# KiCad board data-center-ddr5-tester.kicad_pcb (continued)
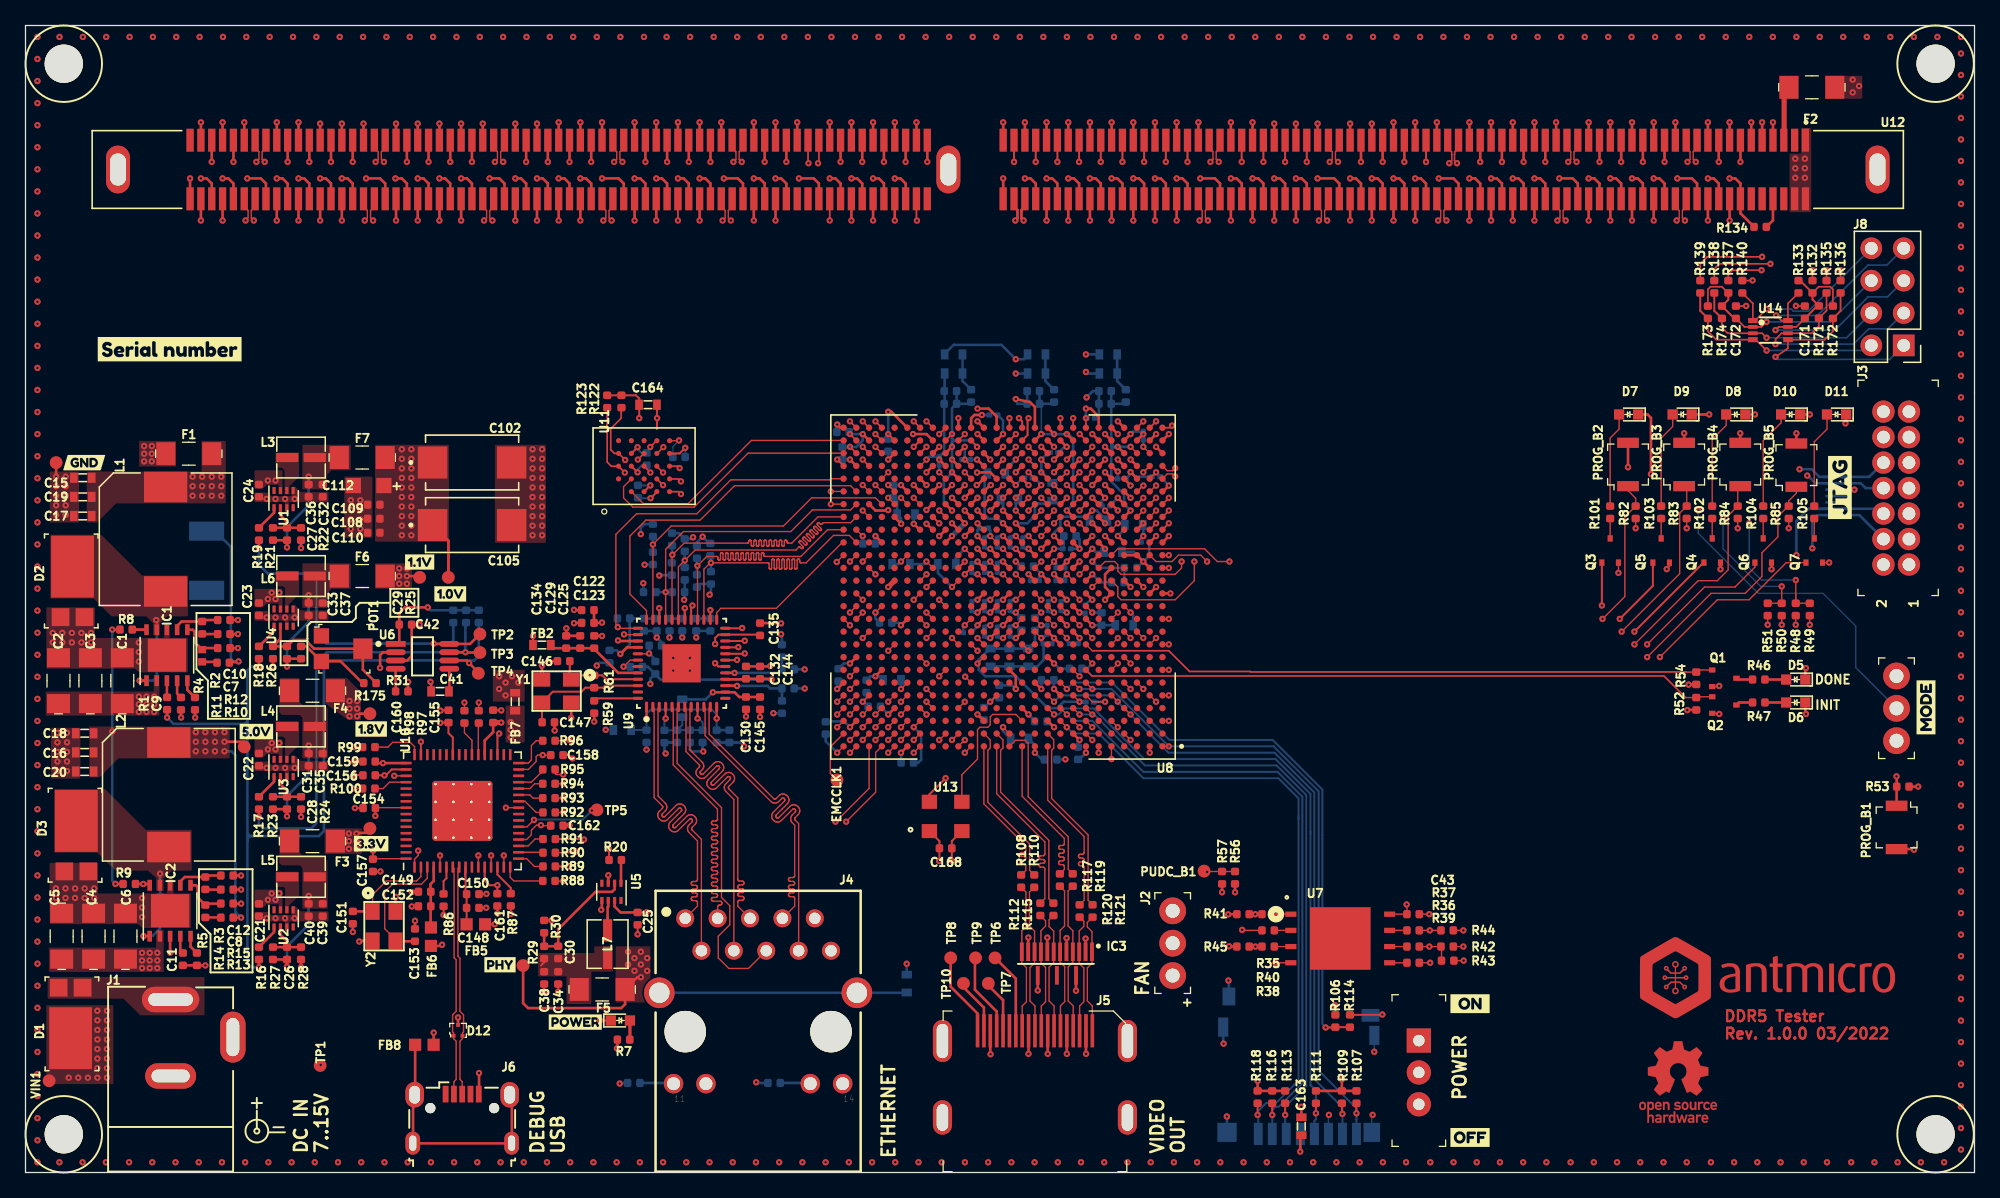
[diagram p0: board, top side]
## Routing (per net, layer and track width the routed paths; a pad name or vN(x,y) marks a point on that pad's centre or on a via; arc(x,y) is an arc through that point) (continued)
DQ28_A: length 53.5
  Top w0.15: U12.47 v4(100.45,79.3)
  Top w0.2: U8.AD4 v4(85.64,56.94)
  In2.Cu w0.127: v4(100.45,79.3) 100.45,78.85 100.45,78.82 100.44,78.79 100.42,78.77 100.4,78.75 100.38,78.74 100.35,78.73 100.32,78.72 100.19,78.72 100.16,78.72 100.13,78.71 100.11,78.7 100.09,78.68 100.08,78.65 100.07,78.62 100.06,78.6 100.07,78.57 100.08,78.54 100.09,78.52 100.11,78.5 100.13,78.48 100.16,78.47 100.19,78.47 100.71,78.47 100.74,78.47 100.77,78.46 100.79,78.44 100.81,78.42 100.82,78.4 100.83,78.37 100.84,78.34 100.83,78.31 100.82,78.29 100.81,78.26 100.79,78.24 100.77,78.23 100.74,78.22 100.71,78.22 100.19,78.22 100.16,78.21 100.13,78.2 100.11,78.19 100.09,78.17 100.08,78.14 100.07,78.12 100.06,78.09 100.07,78.06 100.08,78.03 100.09,78.01 100.11,77.99 100.13,77.97 100.16,77.96 100.19,77.96 100.71,77.96 100.74,77.96 100.77,77.95 100.79,77.93 100.81,77.91 100.82,77.89 100.83,77.86 100.84,77.83 100.83,77.81 100.82,77.78 100.81,77.75 100.79,77.73 100.77,77.72 100.74,77.71 100.71,77.71 100.19,77.71 100.16,77.7 100.13,77.69 100.11,77.68 100.09,77.66 100.08,77.64 100.07,77.61 100.06,77.58 100.07,77.55 100.08,77.52 100.09,77.5 100.11,77.48 100.13,77.47 100.16,77.46 100.19,77.45 100.71,77.45 100.74,77.45 100.77,77.44 100.79,77.43 100.81,77.41 100.82,77.38 100.83,77.35 100.84,77.33 100.83,77.3 100.82,77.27 100.81,77.25 100.79,77.23 100.77,77.21 100.74,77.2 100.71,77.2 100.19,77.2 100.16,77.2 100.13,77.19 100.11,77.17 100.09,77.15 100.08,77.13 100.07,77.1 100.06,77.07 100.07,77.04 100.08,77.02 100.09,76.99 100.11,76.97 100.13,76.96 100.16,76.95 100.19,76.94 100.71,76.94 100.74,76.94 100.77,76.93 100.79,76.92 100.81,76.9 100.82,76.87 100.83,76.85 100.84,76.82 100.83,76.79 100.82,76.76 100.81,76.74 100.79,76.72 100.77,76.7 100.74,76.69 100.71,76.69 100.19,76.69 100.16,76.69 100.13,76.68 100.11,76.66 100.09,76.64 100.08,76.62 100.07,76.59 100.06,76.56 100.07,76.54 100.08,76.51 100.09,76.48 100.11,76.46 100.13,76.45 100.16,76.44 100.19,76.44 100.71,76.44 100.74,76.43 100.77,76.42 100.79,76.41 100.81,76.39 100.82,76.37 100.83,76.34 100.84,76.31 100.83,76.28 100.82,76.25 100.81,76.23 100.79,76.21 100.77,76.2 100.74,76.19 100.71,76.18 100.19,76.18 100.16,76.18 100.13,76.17 100.11,76.16 100.09,76.14 100.08,76.11 100.07,76.08 100.06,76.06 100.07,76.03 100.08,76 100.09,75.98 100.11,75.96 100.13,75.94 100.16,75.93 100.19,75.93 100.71,75.93 100.74,75.93 100.77,75.92 100.79,75.9 100.81,75.88 100.82,75.86 100.83,75.83 100.84,75.8 100.83,75.77 100.82,75.75 100.81,75.72 100.79,75.7 100.77,75.69 100.74,75.68 100.71,75.67 100.19,75.67 100.16,75.67 100.13,75.66 100.11,75.65 100.09,75.63 100.08,75.6 100.07,75.58 100.06,75.55 100.07,75.52 100.08,75.49 100.09,75.47 100.11,75.45 100.13,75.43 100.16,75.42 100.19,75.42 100.71,75.42 100.74,75.42 100.77,75.41 100.79,75.39 100.81,75.37 100.82,75.35 100.83,75.32 100.84,75.29 100.83,75.27 100.82,75.24 100.81,75.21 100.79,75.19 100.77,75.18 100.74,75.17 100.71,75.17 100.19,75.17 100.16,75.16 100.13,75.15 100.11,75.14 100.09,75.12 100.08,75.1 100.07,75.07 100.06,75.04 100.07,75.01 100.08,74.98 100.09,74.96 100.11,74.94 100.13,74.93 100.16,74.92 100.19,74.91 100.71,74.91 100.74,74.91 100.77,74.9 100.79,74.89 100.81,74.87 100.82,74.84 100.83,74.81 100.84,74.79 100.83,74.76 100.82,74.73 100.81,74.71 100.79,74.69 100.77,74.67 100.74,74.66 100.71,74.66 100.19,74.66 100.16,74.66 100.13,74.65 100.11,74.63 100.09,74.61 100.08,74.59 100.07,74.56 100.06,74.53 100.07,74.5 100.08,74.48 100.09,74.45 100.11,74.43 100.13,74.42 100.16,74.41 100.19,74.41 100.71,74.41 100.74,74.4 100.77,74.39 100.79,74.38 100.81,74.36 100.82,74.33 100.83,74.31 100.84,74.28 100.83,74.25 100.82,74.22 100.81,74.2 100.79,74.18 100.77,74.16 100.74,74.15 100.71,74.15 100.19,74.15 100.16,74.15 100.13,74.14 100.11,74.12 100.09,74.1 100.08,74.08 100.07,74.05 100.06,74.02 100.07,74 100.08,73.97 100.09,73.94 100.11,73.92 100.13,73.91 100.16,73.9 100.19,73.9 100.71,73.9 100.74,73.89 100.77,73.88 100.79,73.87 100.81,73.85 100.82,73.83 100.83,73.8 100.84,73.77 100.83,73.74 100.82,73.71 100.81,73.69 100.79,73.67 100.77,73.66 100.74,73.65 100.71,73.64 100.19,73.64 100.16,73.64 100.13,73.63 100.11,73.62 100.09,73.6 100.08,73.57 100.07,73.54 100.06,73.52 100.07,73.49 100.08,73.46 100.09,73.44 100.11,73.42 100.13,73.4 100.16,73.39 100.19,73.39 100.32,73.39 100.35,73.39 100.38,73.38 100.4,73.36 100.42,73.34 100.44,73.32 100.45,73.29 100.45,73.26 100.45,60.75 99.89,60.19 85.64,60.19 85.14,59.69 85.14,57.44 v4(85.64,56.94)
DQ28_B: length 77.2
  Top w0.2: U12.140 v1(16.3,79.3) ; U8.V19 v1(70.64,50.9)
  In7.Cu w0.127: v1(16.3,79.3) 16.3,78.9 16.3,78.87 16.29,78.84 16.27,78.82 16.25,78.8 16.23,78.79 16.2,78.78 16.17,78.77 16.03,78.77 16,78.77 15.97,78.76 15.95,78.75 15.93,78.73 15.91,78.7 15.9,78.67 15.9,78.65 15.9,78.62 15.91,78.59 15.93,78.57 15.95,78.55 15.97,78.53 16,78.52 16.03,78.52 16.57,78.52 16.6,78.52 16.63,78.51 16.65,78.49 16.67,78.47 16.69,78.45 16.7,78.42 16.7,78.39 16.7,78.36 16.69,78.34 16.67,78.31 16.65,78.29 16.63,78.28 16.6,78.27 16.57,78.27 16.03,78.27 16,78.26 15.97,78.25 15.95,78.24 15.93,78.22 15.91,78.19 15.9,78.17 15.9,78.14 15.9,78.11 15.91,78.08 15.93,78.06 15.95,78.04 15.97,78.02 16,78.01 16.03,78.01 16.57,78.01 16.6,78.01 16.63,78 16.65,77.98 16.67,77.96 16.69,77.94 16.7,77.91 16.7,77.88 16.7,77.86 16.69,77.83 16.67,77.8 16.65,77.78 16.63,77.77 16.6,77.76 16.57,77.76 16.03,77.76 16,77.75 15.97,77.74 15.95,77.73 15.93,77.71 15.91,77.69 15.9,77.66 15.9,77.63 15.9,77.6 15.91,77.57 15.93,77.55 15.95,77.53 15.97,77.52 16,77.51 16.03,77.5 16.57,77.5 16.6,77.5 16.63,77.49 16.65,77.48 16.67,77.46 16.69,77.43 16.7,77.4 16.7,77.38 16.7,77.35 16.69,77.32 16.67,77.3 16.65,77.28 16.63,77.26 16.6,77.25 16.57,77.25 16.03,77.25 16,77.25 15.97,77.24 15.95,77.22 15.93,77.2 15.91,77.18 15.9,77.15 15.9,77.12 15.9,77.09 15.91,77.07 15.93,77.04 15.95,77.02 15.97,77.01 16,77 16.03,77 16.57,77 16.6,76.99 16.63,76.98 16.65,76.97 16.67,76.95 16.69,76.92 16.7,76.9 16.7,76.87 16.7,76.84 16.69,76.81 16.67,76.79 16.65,76.77 16.63,76.75 16.6,76.74 16.57,76.74 16.43,76.74 16.4,76.74 16.37,76.73 16.35,76.71 16.33,76.69 16.31,76.67 16.3,76.64 16.3,76.61 16.3,74.28 29.14,61.44 51.14,61.44 62.14,50.44 70.18,50.44 v1(70.64,50.9)
DQ29_A: length 53.5
  Top w0.15: U12.49 v4(98.75,79.3)
  Top w0.2: v4(84.64,56.94) U8.AD5
  In2.Cu w0.127: v4(84.64,56.94) 84.14,57.44 84.14,60.69 84.64,61.19 98.39,61.19 98.75,61.55 98.75,72.15 98.75,72.17 98.74,72.2 98.72,72.23 98.7,72.25 98.68,72.26 98.65,72.27 98.62,72.27 98.53,72.27 98.5,72.28 98.48,72.29 98.45,72.3 98.43,72.32 98.42,72.34 98.41,72.37 98.4,72.4 98.41,72.43 98.42,72.46 98.43,72.48 98.45,72.5 98.48,72.51 98.5,72.52 98.53,72.53 98.97,72.53 99,72.53 99.02,72.54 99.05,72.55 99.07,72.57 99.08,72.6 99.09,72.63 99.1,72.65 99.09,72.68 99.08,72.71 99.07,72.73 99.05,72.75 99.02,72.77 99,72.78 98.97,72.78 98.53,72.78 98.5,72.78 98.48,72.79 98.45,72.81 98.43,72.83 98.42,72.85 98.41,72.88 98.4,72.91 98.41,72.94 98.42,72.96 98.43,72.99 98.45,73.01 98.48,73.02 98.5,73.03 98.53,73.03 98.97,73.03 99,73.04 99.02,73.05 99.05,73.06 99.07,73.08 99.08,73.11 99.09,73.13 99.1,73.16 99.09,73.19 99.08,73.22 99.07,73.24 99.05,73.26 99.02,73.28 99,73.29 98.97,73.29 98.53,73.29 98.5,73.29 98.48,73.3 98.45,73.32 98.43,73.34 98.42,73.36 98.41,73.39 98.4,73.42 98.41,73.44 98.42,73.47 98.43,73.5 98.45,73.52 98.48,73.53 98.5,73.54 98.53,73.54 98.97,73.54 99,73.55 99.02,73.56 99.05,73.57 99.07,73.59 99.08,73.61 99.09,73.64 99.1,73.67 99.09,73.7 99.08,73.73 99.07,73.75 99.05,73.77 99.02,73.78 99,73.79 98.97,73.8 98.53,73.8 98.5,73.8 98.48,73.81 98.45,73.82 98.43,73.84 98.42,73.87 98.41,73.9 98.4,73.92 98.41,73.95 98.42,73.98 98.43,74 98.45,74.02 98.48,74.04 98.5,74.05 98.53,74.05 98.97,74.05 99,74.05 99.02,74.06 99.05,74.08 99.07,74.1 99.08,74.12 99.09,74.15 99.1,74.18 99.09,74.21 99.08,74.23 99.07,74.26 99.05,74.28 99.02,74.29 99,74.3 98.97,74.31 98.53,74.31 98.5,74.31 98.48,74.32 98.45,74.33 98.43,74.35 98.42,74.38 98.41,74.4 98.4,74.43 98.41,74.46 98.42,74.49 98.43,74.51 98.45,74.53 98.48,74.55 98.5,74.56 98.53,74.56 98.97,74.56 99,74.56 99.02,74.57 99.05,74.59 99.07,74.61 99.08,74.63 99.09,74.66 99.1,74.69 99.09,74.71 99.08,74.74 99.07,74.77 99.05,74.79 99.02,74.8 99,74.81 98.97,74.81 98.53,74.81 98.5,74.82 98.48,74.83 98.45,74.84 98.43,74.86 98.42,74.88 98.41,74.91 98.4,74.94 98.41,74.97 98.42,75 98.43,75.02 98.45,75.04 98.48,75.05 98.5,75.06 98.53,75.07 98.97,75.07 99,75.07 99.02,75.08 99.05,75.09 99.07,75.11 99.08,75.14 99.09,75.17 99.1,75.19 99.09,75.22 99.08,75.25 99.07,75.27 99.05,75.29 99.02,75.31 99,75.32 98.97,75.32 98.53,75.32 98.5,75.32 98.48,75.33 98.45,75.35 98.43,75.37 98.42,75.39 98.41,75.42 98.4,75.45 98.41,75.48 98.42,75.5 98.43,75.53 98.45,75.55 98.48,75.56 98.5,75.57 98.53,75.58 98.97,75.58 99,75.58 99.02,75.59 99.05,75.6 99.07,75.62 99.08,75.65 99.09,75.67 99.1,75.7 99.09,75.73 99.08,75.76 99.07,75.78 99.05,75.8 99.02,75.82 99,75.83 98.97,75.83 98.53,75.83 98.5,75.83 98.48,75.84 98.45,75.86 98.43,75.88 98.42,75.9 98.41,75.93 98.4,75.96 98.41,75.98 98.42,76.01 98.43,76.04 98.45,76.06 98.48,76.07 98.5,76.08 98.53,76.08 98.97,76.08 99,76.09 99.02,76.1 99.05,76.11 99.07,76.13 99.08,76.15 99.09,76.18 99.1,76.21 99.09,76.24 99.08,76.27 99.07,76.29 99.05,76.31 99.02,76.32 99,76.33 98.97,76.34 98.53,76.34 98.5,76.34 98.48,76.35 98.45,76.36 98.43,76.38 98.42,76.41 98.41,76.44 98.4,76.46 98.41,76.49 98.42,76.52 98.43,76.54 98.45,76.56 98.48,76.58 98.5,76.59 98.53,76.59 98.97,76.59 99,76.59 99.02,76.6 99.05,76.62 99.07,76.64 99.08,76.66 99.09,76.69 99.1,76.72 99.09,76.75 99.08,76.77 99.07,76.8 99.05,76.82 99.02,76.83 99,76.84 98.97,76.84 98.53,76.84 98.5,76.85 98.48,76.86 98.45,76.87 98.43,76.89 98.42,76.92 98.41,76.94 98.4,76.97 98.41,77 98.42,77.03 98.43,77.05 98.45,77.07 98.48,77.09 98.5,77.1 98.53,77.1 98.97,77.1 99,77.1 99.02,77.11 99.05,77.13 99.07,77.15 99.08,77.17 99.09,77.2 99.1,77.23 99.09,77.25 99.08,77.28 99.07,77.31 99.05,77.33 99.02,77.34 99,77.35 98.97,77.35 98.53,77.35 98.5,77.36 98.48,77.37 98.45,77.38 98.43,77.4 98.42,77.42 98.41,77.45 98.4,77.48 98.41,77.51 98.42,77.54 98.43,77.56 98.45,77.58 98.48,77.59 98.5,77.6 98.53,77.61 98.97,77.61 99,77.61 99.02,77.62 99.05,77.63 99.07,77.65 99.08,77.68 99.09,77.71 99.1,77.73 99.09,77.76 99.08,77.79 99.07,77.81 99.05,77.83 99.02,77.85 99,77.86 98.97,77.86 98.53,77.86 98.5,77.86 98.48,77.87 98.45,77.89 98.43,77.91 98.42,77.93 98.41,77.96 98.4,77.99 98.41,78.02 98.42,78.04 98.43,78.07 98.45,78.09 98.48,78.1 98.5,78.11 98.53,78.12 98.97,78.12 99,78.12 99.02,78.13 99.05,78.14 99.07,78.16 99.08,78.19 99.09,78.21 99.1,78.24 99.09,78.27 99.08,78.3 99.07,78.32 99.05,78.34 99.02,78.36 99,78.37 98.97,78.37 98.53,78.37 98.5,78.37 98.48,78.38 98.45,78.4 98.43,78.42 98.42,78.44 98.41,78.47 98.4,78.5 98.41,78.52 98.42,78.55 98.43,78.58 98.45,78.6 98.48,78.61 98.5,78.62 98.53,78.62 98.62,78.62 98.65,78.63 98.68,78.64 98.7,78.65 98.72,78.67 98.74,78.69 98.75,78.72 98.75,78.75 v4(98.75,79.3)
DQ29_B: length 77.3
  Top w0.2: U12.142 v1(14.6,79.3) ; U8.V17 v1(72.64,50.94)
  In7.Cu w0.127: v1(72.64,50.94) 72.14,50.44 72.14,49.44 71.64,48.94 62.14,48.94 50.64,60.44 28.64,60.44 14.6,74.48 v1(14.6,79.3)
DQ30_A: length 53.5
  Top w0.2: U12.192 v4(99.6,74.7) ; U8.AE5 v4(84.64,57.94)
  In2.Cu w0.127: v4(84.64,57.94) 84.64,60.19 85.14,60.69 99.14,60.69 99.6,61.15 99.6,63.41 99.6,63.44 99.61,63.47 99.63,63.49 99.65,63.51 99.67,63.52 99.7,63.53 99.73,63.54 99.82,63.54 99.85,63.54 99.88,63.55 99.9,63.56 99.92,63.58 99.94,63.61 99.95,63.64 99.95,63.66 99.95,63.69 99.94,63.72 99.92,63.74 99.9,63.76 99.88,63.78 99.85,63.79 99.82,63.79 99.38,63.79 99.35,63.79 99.32,63.8 99.3,63.82 99.28,63.84 99.26,63.86 99.25,63.89 99.25,63.92 99.25,63.95 99.26,63.97 99.28,64 99.3,64.02 99.32,64.03 99.35,64.04 99.38,64.05 99.82,64.05 99.85,64.05 99.88,64.06 99.9,64.07 99.92,64.09 99.94,64.12 99.95,64.14 99.95,64.17 99.95,64.2 99.94,64.23 99.92,64.25 99.9,64.27 99.88,64.29 99.85,64.3 99.82,64.3 99.38,64.3 99.35,64.3 99.32,64.31 99.3,64.33 99.28,64.35 99.26,64.37 99.25,64.4 99.25,64.43 99.25,64.45 99.26,64.48 99.28,64.51 99.3,64.53 99.32,64.54 99.35,64.55 99.38,64.55 99.82,64.55 99.85,64.56 99.88,64.57 99.9,64.58 99.92,64.6 99.94,64.62 99.95,64.65 99.95,64.68 99.95,64.71 99.94,64.74 99.92,64.76 99.9,64.78 99.88,64.79 99.85,64.8 99.82,64.81 99.38,64.81 99.35,64.81 99.32,64.82 99.3,64.83 99.28,64.85 99.26,64.88 99.25,64.91 99.25,64.93 99.25,64.96 99.26,64.99 99.28,65.01 99.3,65.03 99.32,65.05 99.35,65.06 99.38,65.06 99.82,65.06 99.85,65.06 99.88,65.07 99.9,65.09 99.92,65.11 99.94,65.13 99.95,65.16 99.95,65.19 99.95,65.22 99.94,65.24 99.92,65.27 99.9,65.29 99.88,65.3 99.85,65.31 99.82,65.31 99.38,65.31 99.35,65.32 99.32,65.33 99.3,65.34 99.28,65.36 99.26,65.39 99.25,65.41 99.25,65.44 99.25,65.47 99.26,65.5 99.28,65.52 99.3,65.54 99.32,65.56 99.35,65.57 99.38,65.57 99.82,65.57 99.85,65.57 99.88,65.58 99.9,65.6 99.92,65.62 99.94,65.64 99.95,65.67 99.95,65.7 99.95,65.72 99.94,65.75 99.92,65.78 99.9,65.8 99.88,65.81 99.85,65.82 99.82,65.82 99.38,65.82 99.35,65.83 99.32,65.84 99.3,65.85 99.28,65.87 99.26,65.89 99.25,65.92 99.25,65.95 99.25,65.98 99.26,66.01 99.28,66.03 99.3,66.05 99.32,66.06 99.35,66.07 99.38,66.08 99.82,66.08 99.85,66.08 99.88,66.09 99.9,66.1 99.92,66.12 99.94,66.15 99.95,66.18 99.95,66.2 99.95,66.23 99.94,66.26 99.92,66.28 99.9,66.3 99.88,66.32 99.85,66.33 99.82,66.33 99.38,66.33 99.35,66.33 99.32,66.34 99.3,66.36 99.28,66.38 99.26,66.4 99.25,66.43 99.25,66.46 99.25,66.49 99.26,66.51 99.28,66.54 99.3,66.56 99.32,66.57 99.35,66.58 99.38,66.58 99.82,66.58 99.85,66.59 99.88,66.6 99.9,66.61 99.92,66.63 99.94,66.66 99.95,66.68 99.95,66.71 99.95,66.74 99.94,66.77 99.92,66.79 99.9,66.81 99.88,66.83 99.85,66.84 99.82,66.84 99.38,66.84 99.35,66.84 99.32,66.85 99.3,66.87 99.28,66.89 99.26,66.91 99.25,66.94 99.25,66.97 99.25,66.99 99.26,67.02 99.28,67.05 99.3,67.07 99.32,67.08 99.35,67.09 99.38,67.09 99.82,67.09 99.85,67.1 99.88,67.11 99.9,67.12 99.92,67.14 99.94,67.16 99.95,67.19 99.95,67.22 99.95,67.25 99.94,67.28 99.92,67.3 99.9,67.32 99.88,67.33 99.85,67.34 99.82,67.35 99.38,67.35 99.35,67.35 99.32,67.36 99.3,67.37 99.28,67.39 99.26,67.42 99.25,67.45 99.25,67.47 99.25,67.5 99.26,67.53 99.28,67.55 99.3,67.57 99.32,67.59 99.35,67.6 99.38,67.6 99.82,67.6 99.85,67.6 99.88,67.61 99.9,67.63 99.92,67.65 99.94,67.67 99.95,67.7 99.95,67.73 99.95,67.76 99.94,67.78 99.92,67.81 99.9,67.83 99.88,67.84 99.85,67.85 99.82,67.86 99.38,67.86 99.35,67.86 99.32,67.87 99.3,67.88 99.28,67.9 99.26,67.93 99.25,67.95 99.25,67.98 99.25,68.01 99.26,68.04 99.28,68.06 99.3,68.08 99.32,68.1 99.35,68.11 99.38,68.11 99.82,68.11 99.85,68.11 99.88,68.12 99.9,68.14 99.92,68.16 99.94,68.18 99.95,68.21 99.95,68.24 99.95,68.26 99.94,68.29 99.92,68.32 99.9,68.34 99.88,68.35 99.85,68.36 99.82,68.36 99.38,68.36 99.35,68.37 99.32,68.38 99.3,68.39 99.28,68.41 99.26,68.43 99.25,68.46 99.25,68.49 99.25,68.52 99.26,68.55 99.28,68.57 99.3,68.59 99.32,68.6 99.35,68.61 99.38,68.62 99.82,68.62 99.85,68.62 99.88,68.63 99.9,68.64 99.92,68.66 99.94,68.69 99.95,68.72 99.95,68.74 99.95,68.77 99.94,68.8 99.92,68.82 99.9,68.84 99.88,68.86 99.85,68.87 99.82,68.87 99.38,68.87 99.35,68.87 99.32,68.88 99.3,68.9 99.28,68.92 99.26,68.94 99.25,68.97 99.25,69 99.25,69.03 99.26,69.05 99.28,69.08 99.3,69.1 99.32,69.11 99.35,69.12 99.38,69.12 99.82,69.12 99.85,69.13 99.88,69.14 99.9,69.15 99.92,69.17 99.94,69.2 99.95,69.22 99.95,69.25 99.95,69.28 99.94,69.31 99.92,69.33 99.9,69.35 99.88,69.37 99.85,69.38 99.82,69.38 99.38,69.38 99.35,69.38 99.32,69.39 99.3,69.41 99.28,69.43 99.26,69.45 99.25,69.48 99.25,69.51 99.25,69.53 99.26,69.56 99.28,69.59 99.3,69.61 99.32,69.62 99.35,69.63 99.38,69.63 99.82,69.63 99.85,69.64 99.88,69.65 99.9,69.66 99.92,69.68 99.94,69.7 99.95,69.73 99.95,69.76 99.95,69.79 99.94,69.82 99.92,69.84 99.9,69.86 99.88,69.87 99.85,69.88 99.82,69.89 99.38,69.89 99.35,69.89 99.32,69.9 99.3,69.91 99.28,69.93 99.26,69.96 99.25,69.99 99.25,70.01 99.25,70.04 99.26,70.07 99.28,70.09 99.3,70.11 99.32,70.13 99.35,70.14 99.38,70.14 99.82,70.14 99.85,70.14 99.88,70.15 99.9,70.17 99.92,70.19 99.94,70.21 99.95,70.24 99.95,70.27 99.95,70.3 99.94,70.32 99.92,70.35 99.9,70.37 99.88,70.38 99.85,70.39 99.82,70.39 99.38,70.39 99.35,70.4 99.32,70.41 99.3,70.42 99.28,70.44 99.26,70.47 99.25,70.49 99.25,70.52 99.25,70.55 99.26,70.58 99.28,70.6 99.3,70.62 99.32,70.64 99.35,70.65 99.38,70.65 99.82,70.65 99.85,70.65 99.88,70.66 99.9,70.68 99.92,70.7 99.94,70.72 99.95,70.75 99.95,70.78 99.95,70.8 99.94,70.83 99.92,70.86 99.9,70.88 99.88,70.89 99.85,70.9 99.82,70.9 99.38,70.9 99.35,70.91 99.32,70.92 99.3,70.93 99.28,70.95 99.26,70.97 99.25,71 99.25,71.03 99.25,71.06 99.26,71.09 99.28,71.11 99.3,71.13 99.32,71.14 99.35,71.15 99.38,71.16 99.82,71.16 99.85,71.16 99.88,71.17 99.9,71.18 99.92,71.2 99.94,71.23 99.95,71.26 99.95,71.28 99.95,71.31 99.94,71.34 99.92,71.36 99.9,71.38 99.88,71.4 99.85,71.41 99.82,71.41 99.38,71.41 99.35,71.41 99.32,71.42 99.3,71.44 99.28,71.46 99.26,71.48 99.25,71.51 99.25,71.54 99.25,71.57 99.26,71.59 99.28,71.62 99.3,71.64 99.32,71.65 99.35,71.66 99.38,71.67 99.82,71.67 99.85,71.67 99.88,71.68 99.9,71.69 99.92,71.71 99.94,71.74 99.95,71.76 99.95,71.79 99.95,71.82 99.94,71.85 99.92,71.87 99.9,71.89 99.88,71.91 99.85,71.92 99.82,71.92 99.38,71.92 99.35,71.92 99.32,71.93 99.3,71.95 99.28,71.97 99.26,71.99 99.25,72.02 99.25,72.05 99.25,72.07 99.26,72.1 99.28,72.13 99.3,72.15 99.32,72.16 99.35,72.17 99.38,72.17 99.47,72.17 99.5,72.18 99.53,72.19 99.55,72.2 99.57,72.22 99.59,72.24 99.6,72.27 99.6,72.3 v4(99.6,74.7)
DQ30_B: length 77.3
  Top w0.2: U12.285 v1(15.45,74.7) ; U8.V18 v1(71.64,49.94)
  In7.Cu w0.127: v1(71.64,49.94) 71.19,49.49 62.34,49.49 50.89,60.94 28.89,60.94 19.15,70.68 19.12,70.7 19.1,70.71 19.07,70.72 19.04,70.72 19.01,70.71 18.99,70.7 18.97,70.68 18.94,70.66 18.92,70.64 18.89,70.63 18.87,70.62 18.84,70.62 18.81,70.63 18.78,70.64 18.76,70.66 18.74,70.68 18.73,70.7 18.73,70.73 18.73,70.76 18.73,70.79 18.74,70.81 18.76,70.84 18.99,71.06 19.01,71.09 19.02,71.11 19.03,71.14 19.03,71.17 19.02,71.2 19.01,71.22 18.99,71.24 18.97,71.26 18.94,71.27 18.92,71.28 18.89,71.28 18.86,71.27 18.83,71.26 18.81,71.24 18.58,71.01 18.56,71 18.53,70.98 18.51,70.98 18.48,70.98 18.45,70.98 18.43,71 18.4,71.01 18.39,71.04 18.37,71.06 18.37,71.09 18.37,71.12 18.37,71.15 18.39,71.17 18.4,71.19 18.63,71.42 18.65,71.45 18.66,71.47 18.67,71.5 18.67,71.53 18.66,71.56 18.65,71.58 18.63,71.6 18.61,71.62 18.58,71.63 18.56,71.64 18.53,71.64 18.5,71.63 18.47,71.62 18.45,71.6 18.22,71.37 18.2,71.36 18.18,71.34 18.15,71.34 18.12,71.34 18.09,71.34 18.07,71.36 18.04,71.37 18.03,71.4 18.01,71.42 18.01,71.45 18.01,71.48 18.01,71.51 18.03,71.53 18.04,71.55 18.27,71.78 18.29,71.8 18.3,71.83 18.31,71.86 18.31,71.89 18.3,71.91 18.29,71.94 18.27,71.96 18.25,71.98 18.22,71.99 18.2,72 18.17,72 18.14,71.99 18.12,71.98 18.09,71.96 17.86,71.73 17.84,71.72 17.82,71.7 17.79,71.7 17.76,71.7 17.73,71.7 17.71,71.72 17.68,71.73 17.67,71.76 17.65,71.78 17.65,71.81 17.65,71.84 17.65,71.86 17.67,71.89 17.68,71.91 17.91,72.14 17.93,72.16 17.94,72.19 17.95,72.22 17.95,72.25 17.94,72.27 17.93,72.3 17.91,72.32 17.89,72.34 17.87,72.35 17.84,72.36 17.81,72.36 17.78,72.35 17.76,72.34 17.73,72.32 17.5,72.09 17.48,72.07 17.46,72.06 17.43,72.06 17.4,72.06 17.37,72.06 17.35,72.07 17.33,72.09 17.31,72.11 17.3,72.14 17.29,72.17 17.29,72.2 17.3,72.22 17.31,72.25 17.33,72.27 17.55,72.5 17.57,72.52 17.58,72.55 17.59,72.58 17.59,72.61 17.58,72.63 17.57,72.66 17.55,72.68 17.53,72.7 17.51,72.71 17.48,72.72 17.45,72.72 17.42,72.71 17.4,72.7 17.37,72.68 17.15,72.45 17.12,72.43 17.1,72.42 17.07,72.42 17.04,72.42 17.01,72.42 16.99,72.43 16.97,72.45 16.95,72.47 16.94,72.5 16.93,72.53 16.93,72.56 16.94,72.58 16.95,72.61 16.97,72.63 17.2,72.86 17.21,72.88 17.23,72.91 17.23,72.94 17.23,72.96 17.23,72.99 17.21,73.02 17.2,73.04 17.17,73.06 17.15,73.07 17.12,73.08 17.09,73.08 17.06,73.07 17.04,73.06 17.02,73.04 16.79,72.81 16.76,72.79 16.74,72.78 16.71,72.77 16.68,72.77 16.65,72.78 16.63,72.79 16.61,72.81 16.59,72.83 16.58,72.86 16.57,72.89 16.57,72.91 16.58,72.94 16.59,72.97 16.61,72.99 16.84,73.22 16.85,73.24 16.87,73.27 16.87,73.3 16.87,73.32 16.87,73.35 16.85,73.38 16.84,73.4 16.81,73.42 16.79,73.43 16.76,73.44 16.73,73.44 16.7,73.43 16.68,73.42 16.66,73.4 16.43,73.17 16.41,73.15 16.38,73.14 16.35,73.13 16.32,73.13 16.3,73.14 16.27,73.15 16.25,73.17 16.23,73.19 16.22,73.22 16.21,73.25 16.21,73.27 16.22,73.3 16.23,73.33 16.25,73.35 16.48,73.58 16.49,73.6 16.51,73.63 16.51,73.65 16.51,73.68 16.51,73.71 16.49,73.74 16.48,73.76 16.45,73.78 16.43,73.79 16.4,73.79 16.37,73.79 16.34,73.79 16.32,73.78 16.3,73.76 16.07,73.53 16.05,73.51 16.02,73.5 15.99,73.49 15.96,73.49 15.94,73.5 15.91,73.51 15.89,73.53 15.87,73.55 15.86,73.58 15.85,73.6 15.85,73.63 15.86,73.66 15.87,73.69 15.89,73.71 15.91,73.73 15.93,73.76 15.94,73.78 15.95,73.81 15.95,73.84 15.94,73.87 15.93,73.89 15.91,73.91 15.45,74.38 v1(15.45,74.7)
DQ31_A: length 53.5
  Top w0.2: U12.194 v4(97.9,74.7) ; U8.AE6 v4(83.64,57.94)
  In2.Cu w0.127: v4(83.64,57.94) 83.64,61.19 84.14,61.69 97.39,61.69 97.9,62.2 97.9,63.77 97.9,63.8 97.89,63.83 97.87,63.85 97.85,63.87 97.83,63.89 97.8,63.9 97.77,63.9 97.64,63.9 97.61,63.9 97.58,63.91 97.56,63.93 97.54,63.95 97.52,63.97 97.51,64 97.51,64.03 97.51,64.05 97.52,64.08 97.54,64.11 97.56,64.13 97.58,64.14 97.61,64.15 97.64,64.15 98.16,64.15 98.19,64.16 98.22,64.17 98.24,64.18 98.26,64.2 98.28,64.22 98.29,64.25 98.29,64.28 98.29,64.31 98.28,64.34 98.26,64.36 98.24,64.38 98.22,64.39 98.19,64.4 98.16,64.41 97.64,64.41 97.61,64.41 97.58,64.42 97.56,64.43 97.54,64.45 97.52,64.48 97.51,64.51 97.51,64.53 97.51,64.56 97.52,64.59 97.54,64.61 97.56,64.63 97.58,64.65 97.61,64.66 97.64,64.66 98.16,64.66 98.19,64.66 98.22,64.67 98.24,64.69 98.26,64.71 98.28,64.73 98.29,64.76 98.29,64.79 98.29,64.82 98.28,64.84 98.26,64.87 98.24,64.89 98.22,64.9 98.19,64.91 98.16,64.92 97.64,64.92 97.61,64.92 97.58,64.93 97.56,64.94 97.54,64.96 97.52,64.99 97.51,65.01 97.51,65.04 97.51,65.07 97.52,65.1 97.54,65.12 97.56,65.14 97.58,65.16 97.61,65.17 97.64,65.17 98.16,65.17 98.19,65.17 98.22,65.18 98.24,65.2 98.26,65.22 98.28,65.24 98.29,65.27 98.29,65.3 98.29,65.32 98.28,65.35 98.26,65.38 98.24,65.4 98.22,65.41 98.19,65.42 98.16,65.42 97.64,65.42 97.61,65.43 97.58,65.44 97.56,65.45 97.54,65.47 97.52,65.49 97.51,65.52 97.51,65.55 97.51,65.58 97.52,65.61 97.54,65.63 97.56,65.65 97.58,65.66 97.61,65.67 97.64,65.68 98.16,65.68 98.19,65.68 98.22,65.69 98.24,65.7 98.26,65.72 98.28,65.75 98.29,65.78 98.29,65.8 98.29,65.83 98.28,65.86 98.26,65.88 98.24,65.9 98.22,65.92 98.19,65.93 98.16,65.93 97.64,65.93 97.61,65.93 97.58,65.94 97.56,65.96 97.54,65.98 97.52,66 97.51,66.03 97.51,66.06 97.51,66.09 97.52,66.11 97.54,66.14 97.56,66.16 97.58,66.17 97.61,66.18 97.64,66.19 98.16,66.19 98.19,66.19 98.22,66.2 98.24,66.21 98.26,66.23 98.28,66.26 98.29,66.28 98.29,66.31 98.29,66.34 98.28,66.37 98.26,66.39 98.24,66.41 98.22,66.43 98.19,66.44 98.16,66.44 97.64,66.44 97.61,66.44 97.58,66.45 97.56,66.47 97.54,66.49 97.52,66.51 97.51,66.54 97.51,66.57 97.51,66.59 97.52,66.62 97.54,66.65 97.56,66.67 97.58,66.68 97.61,66.69 97.64,66.69 98.16,66.69 98.19,66.7 98.22,66.71 98.24,66.72 98.26,66.74 98.28,66.76 98.29,66.79 98.29,66.82 98.29,66.85 98.28,66.88 98.26,66.9 98.24,66.92 98.22,66.93 98.19,66.94 98.16,66.95 97.64,66.95 97.61,66.95 97.58,66.96 97.56,66.97 97.54,66.99 97.52,67.02 97.51,67.05 97.51,67.07 97.51,67.1 97.52,67.13 97.54,67.15 97.56,67.17 97.58,67.19 97.61,67.2 97.64,67.2 98.16,67.2 98.19,67.2 98.22,67.21 98.24,67.23 98.26,67.25 98.28,67.27 98.29,67.3 98.29,67.33 98.29,67.36 98.28,67.38 98.26,67.41 98.24,67.43 98.22,67.44 98.19,67.45 98.16,67.45 97.64,67.45 97.61,67.46 97.58,67.47 97.56,67.48 97.54,67.5 97.52,67.53 97.51,67.55 97.51,67.58 97.51,67.61 97.52,67.64 97.54,67.66 97.56,67.68 97.58,67.7 97.61,67.71 97.64,67.71 98.16,67.71 98.19,67.71 98.22,67.72 98.24,67.74 98.26,67.76 98.28,67.78 98.29,67.81 98.29,67.84 98.29,67.86 98.28,67.89 98.26,67.92 98.24,67.94 98.22,67.95 98.19,67.96 98.16,67.96 97.64,67.96 97.61,67.97 97.58,67.98 97.56,67.99 97.54,68.01 97.52,68.03 97.51,68.06 97.51,68.09 97.51,68.12 97.52,68.15 97.54,68.17 97.56,68.19 97.58,68.2 97.61,68.21 97.64,68.22 98.16,68.22 98.19,68.22 98.22,68.23 98.24,68.24 98.26,68.26 98.28,68.29 98.29,68.32 98.29,68.34 98.29,68.37 98.28,68.4 98.26,68.42 98.24,68.44 98.22,68.46 98.19,68.47 98.16,68.47 97.64,68.47 97.61,68.47 97.58,68.48 97.56,68.5 97.54,68.52 97.52,68.54 97.51,68.57 97.51,68.6 97.51,68.63 97.52,68.65 97.54,68.68 97.56,68.7 97.58,68.71 97.61,68.72 97.64,68.72 98.16,68.72 98.19,68.73 98.22,68.74 98.24,68.75 98.26,68.77 98.28,68.8 98.29,68.82 98.29,68.85 98.29,68.88 98.28,68.91 98.26,68.93 98.24,68.95 98.22,68.97 98.19,68.98 98.16,68.98 97.64,68.98 97.61,68.98 97.58,68.99 97.56,69.01 97.54,69.03 97.52,69.05 97.51,69.08 97.51,69.11 97.51,69.13 97.52,69.16 97.54,69.19 97.56,69.21 97.58,69.22 97.61,69.23 97.64,69.23 98.16,69.23 98.19,69.24 98.22,69.25 98.24,69.26 98.26,69.28 98.28,69.3 98.29,69.33 98.29,69.36 98.29,69.39 98.28,69.42 98.26,69.44 98.24,69.46 98.22,69.47 98.19,69.48 98.16,69.49 97.64,69.49 97.61,69.49 97.58,69.5 97.56,69.51 97.54,69.53 97.52,69.56 97.51,69.59 97.51,69.61 97.51,69.64 97.52,69.67 97.54,69.69 97.56,69.71 97.58,69.73 97.61,69.74 97.64,69.74 98.16,69.74 98.19,69.74 98.22,69.75 98.24,69.77 98.26,69.79 98.28,69.81 98.29,69.84 98.29,69.87 98.29,69.9 98.28,69.92 98.26,69.95 98.24,69.97 98.22,69.98 98.19,69.99 98.16,70 97.64,70 97.61,70 97.58,70.01 97.56,70.02 97.54,70.04 97.52,70.07 97.51,70.09 97.51,70.12 97.51,70.15 97.52,70.18 97.54,70.2 97.56,70.22 97.58,70.24 97.61,70.25 97.64,70.25 98.16,70.25 98.19,70.25 98.22,70.26 98.24,70.28 98.26,70.3 98.28,70.32 98.29,70.35 98.29,70.38 98.29,70.4 98.28,70.43 98.26,70.46 98.24,70.48 98.22,70.49 98.19,70.5 98.16,70.5 97.64,70.5 97.61,70.51 97.58,70.52 97.56,70.53 97.54,70.55 97.52,70.57 97.51,70.6 97.51,70.63 97.51,70.66 97.52,70.69 97.54,70.71 97.56,70.73 97.58,70.74 97.61,70.75 97.64,70.76 98.16,70.76 98.19,70.76 98.22,70.77 98.24,70.78 98.26,70.8 98.28,70.83 98.29,70.86 98.29,70.88 98.29,70.91 98.28,70.94 98.26,70.96 98.24,70.98 98.22,71 98.19,71.01 98.16,71.01 97.64,71.01 97.61,71.01 97.58,71.02 97.56,71.04 97.54,71.06 97.52,71.08 97.51,71.11 97.51,71.14 97.51,71.17 97.52,71.19 97.54,71.22 97.56,71.24 97.58,71.25 97.61,71.26 97.64,71.27 98.16,71.27 98.19,71.27 98.22,71.28 98.24,71.29 98.26,71.31 98.28,71.34 98.29,71.36 98.29,71.39 98.29,71.42 98.28,71.45 98.26,71.47 98.24,71.49 98.22,71.51 98.19,71.52 98.16,71.52 97.64,71.52 97.61,71.52 97.58,71.53 97.56,71.55 97.54,71.57 97.52,71.59 97.51,71.62 97.51,71.65 97.51,71.67 97.52,71.7 97.54,71.73 97.56,71.75 97.58,71.76 97.61,71.77 97.64,71.77 97.77,71.77 97.8,71.78 97.83,71.79 97.85,71.8 97.87,71.82 97.89,71.84 97.9,71.87 97.9,71.9 v4(97.9,74.7)
